# Altium PCB LimeSDR-Micro_1v0.PcbDoc (part 5 of 8)
Units mm, origin at the board's own origin, x right, y up, seen from the top; angles counter-clockwise.
Board outline 50.8 x 29.7 mm, 8 copper layers (Top, L2, L3, L4, L5, L6, L7, Bottom), stack 0.925 mm thick; 648 components, 374 nets, 2297 pads, 812 vias.
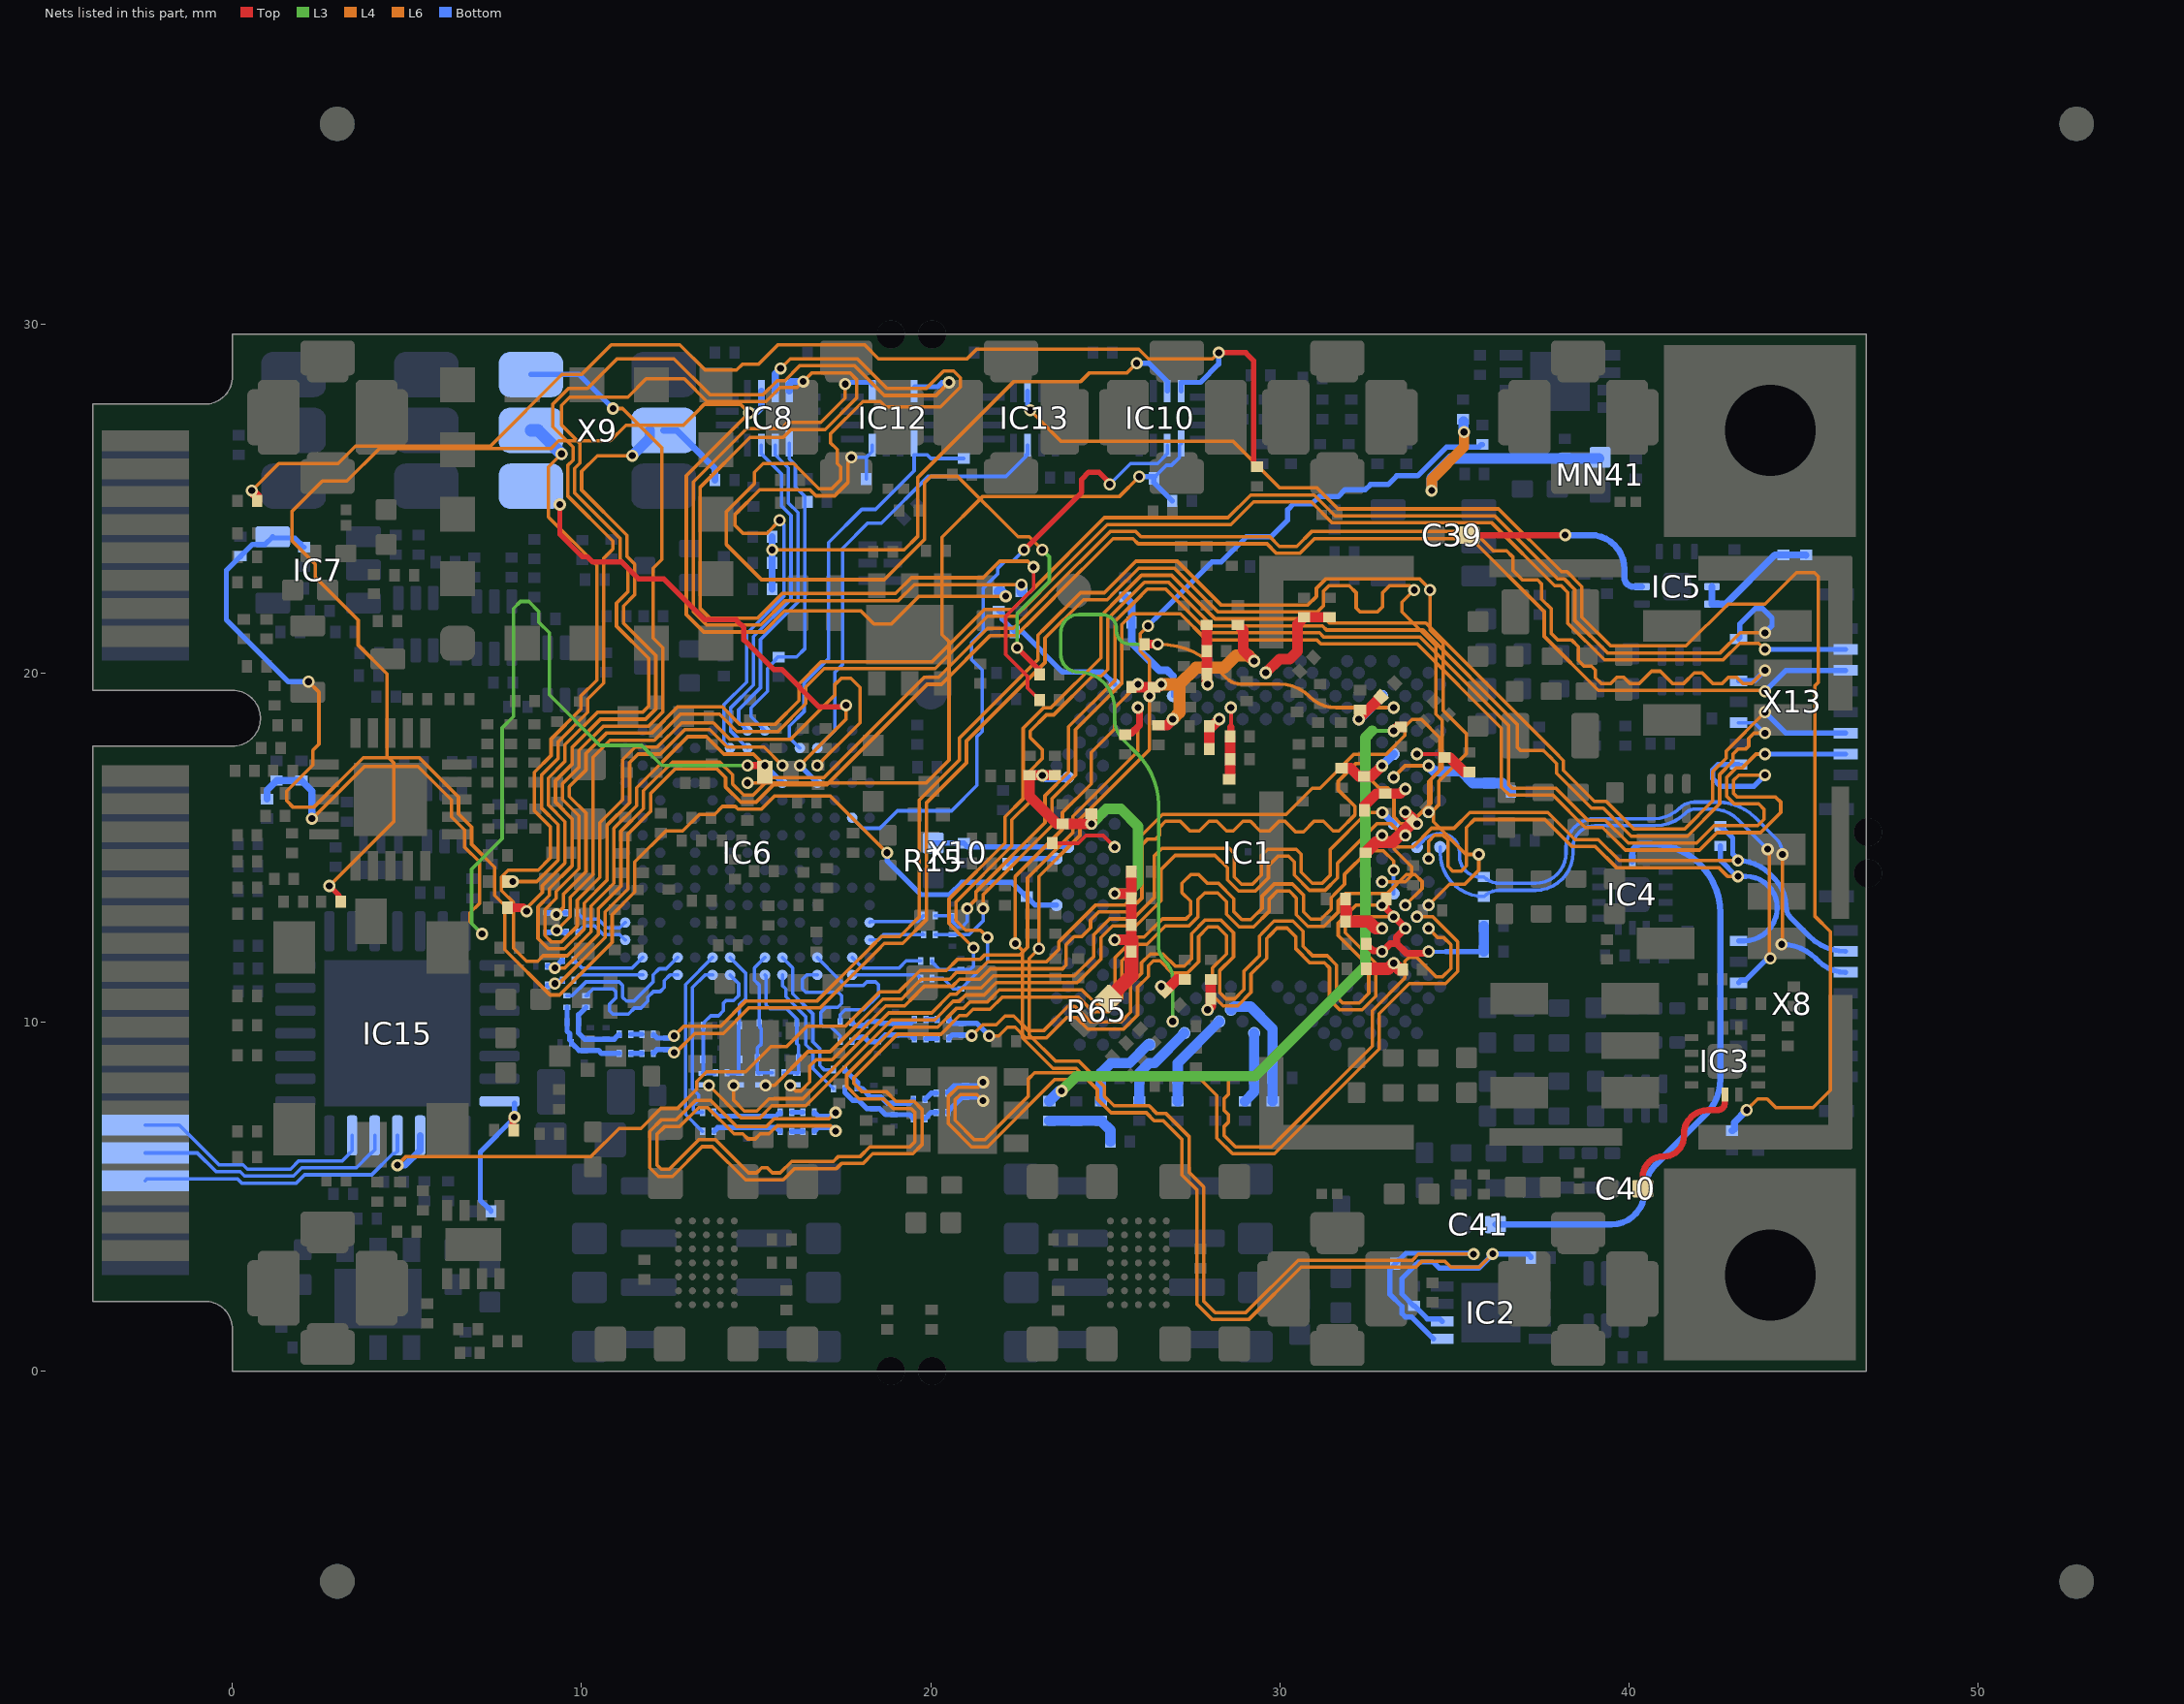
[diagram p11: the nets of this part, all layers, seen from the top]

## Via types
v1: diameter 0.35, hole 0.2, Top to Bottom, tented both sides, 670 vias
v2: diameter 0.35, hole 0.2, L5 to Bottom, tented both sides, 104 vias
v3: diameter 0.4, hole 0.2, Top to Bottom, tented both sides, 30 vias
v4: diameter 0.5, hole 0.2, Top to Bottom, tented both sides, 8 vias

## Nets (pads, with @x,y where several pads share a name; then routed paths per layer and width w, separated by ;. In a path a pad name is that pad's centre, name@x,y a point inside that pad or via, vN(x,y) a via of type N, cw(c..) or ccw(c..) an arc to the next point about the centre after c; other vN are vias at no path point) (continued)
LA_LED2: IC13.10 R145.2 | length 46
  L6 w0.1: v1(22.85,27.525) 23.742,26.633 28.667,26.633 30,25.3 31.067,25.3 31.667,24.7 36.267,24.7 38.067,22.9 38.225,22.9 38.65,22.475 38.65,21.6 39.475,20.775 41.64,20.775 42.84,21.975 43.9,21.975 44.8,22.875 45.317,22.875 45.425,22.767 45.425,19.73 45.325,19.63 45.325,18.292 45.325,13.038 45.775,12.588 45.775,8.047 45.278,7.55 44.21,7.55 43.96,7.8 43.69,7.8 43.375,7.485 v1(43.375,7.475)
  Bottom w0.15: IC13.10@22.775,28.075 22.775,27.65 v1@22.9,27.525
  Bottom w0.2: R145.2@42.95,6.885 42.975,6.885 43.025,6.935 43.025,7.125 v1(43.375,7.475)
LA_LED2_LS: IC6.P12 IC13.3 | length 12.7
  Bottom w0.1: IC6.P12@16.751,17.85 17.25,18.349 17.25,20.019 17.475,20.244 17.475,23.569 18.194,24.287 18.586,24.287 19.929,25.63 22.155,25.63 22.725,26.2 22.725,26.25 22.775,26.25 IC13.3@22.775,26.525
LA_PPS_IN: IC10.11 R170.2 R173.2 R177.2 | length 16.5
  L6 w0.1: v2(15.46,23.525) 19.242,23.525 19.625,23.908 19.625,25.59 22.385,28.35 24.3,28.35 24.55,28.6 25.625,28.6 v1(25.9,28.875)
  Bottom w0.15: v1(25.9,28.875) 26.247,28.875 26.775,28.347 IC10.11@26.775,28.075
  Bottom w0.2: R177.2@15.46,22.4 R173.2@15.46,23.9
LA_PPS_IN_LS: IC6.K14 IC10.2 | length 17.9
  Top w0.15: v1(22.675,23.525) 24.325,25.175 24.325,25.545 24.53,25.75 24.82,25.75 25.125,25.445 v1(25.125,25.4)
  Bottom w0.1: IC6.K14@17.751,15.85 18.051,15.55 18.55,15.55 19.05,16.05 20.599,16.05 21.325,16.776 21.325,18.175 21.475,18.325 21.475,20.083 21.175,20.383 21.175,20.877 21.5,21.202 21.5,22.425 21.925,22.85 21.925,23 22.125,23.2 22.35,23.2 v1(22.675,23.525) ; v1(25.125,25.4) 25.725,26 26.5,26 26.775,26.275 IC10.2@26.775,26.525
LA_PPS_OUT: IC10.12 R184.2 R187.2 | length 36.9
  Top w0.15: v1(28.25,29.175) 29.025,29.175 29.25,28.95 29.25,26.005 R187.2@29.35,25.905
  Top w0.3: v1(0.55,25.225) 0.55,25.211 0.705,25.056 R184.2@0.705,24.925
  L6 w0.1: v1(0.55,25.225) 1.325,26 3.025,26 3.525,26.5 7.392,26.5 9.442,28.55 10,28.55 10.85,29.4 12.815,29.4 13.54,28.675 14.44,28.675 14.615,28.85 15.075,28.85 15.625,29.4 18.108,29.4 18.508,29 21.04,29 21.315,29.275 25.96,29.275 26.235,29 28.075,29 v1(28.25,29.175)
  Bottom w0.15: IC10.12@27.175,28.075 27.175,28.325 27.725,28.325 28.25,28.85 v1(28.25,29.175)
LA_PPS_OUT_LS: IC6.M8 IC10.1 R115.2 R125.1 | length 21.6
  L4 w0.1: v1(14.751,16.85) 19.875,16.85 20.525,17.5 20.525,20.9 20.325,21.1 20.325,23.892 21.483,25.05 25.4,25.05 v1(25.975,25.625)
  Bottom w0.1: R115.2@26.425,25.625 26.75,25.95 26.9,25.95 27.125,26.175 27.125,26.525 IC10.1@27.175,26.575
  Bottom w0.15: v1(25.975,25.625) R115.2@26.425,25.625 ; R115.2@26.395,25.575 26.395,25.45 R125.1@26.92,24.925
LA_RO0_EXT_I_N: R91.2 R100.1 X13.3 | length 48.2
  L6 w0.1: v2(9.284,12.625) 9.675,13.016 9.675,13.572 10.325,14.222 10.325,17.585 10.815,18.075 12.081,18.075 12.831,18.825 13.95,18.825 14.45,18.325 15.625,18.325 16.425,19.125 16.425,19.6 16.95,20.125 20.131,20.125 21.631,21.625 22.434,21.625 22.814,22.005 22.817,22.005 23.125,22.313 23.125,22.316 25.059,24.25 28.6,24.25 29.25,24.9 30.901,24.9 31.501,24.3 36.075,24.3 37.875,22.5 38.06,22.5 38.25,22.31 38.25,21.425 39.3,20.375 42.7,20.375 43.175,20.85 43.716,20.85 43.891,20.675 v2(43.9,20.675)
  Bottom w0.15: R100.1@9.01,12.575 R91.2@9.559,12.575 ; v2(43.9,20.675) X13.3@46.207,20.675
LA_RO0_EXT_I_P: R90.2 R99.1 X13.2 | length 48.2
  L6 w0.1: v2(9.279,13.08) 9.475,13.276 9.475,13.655 10.125,14.305 10.125,15.989 9.65,16.464 9.65,16.744 10.125,17.219 10.125,17.694 10.706,18.275 11.999,18.275 12.749,19.025 14.033,19.025 14.533,18.525 15.542,18.525 16.225,19.208 16.225,19.683 16.867,20.325 20.048,20.325 21.548,21.825 22.351,21.825 22.731,22.205 22.735,22.205 22.925,22.395 22.925,22.399 24.976,24.45 28.517,24.45 29.167,25.1 30.984,25.1 31.584,24.5 36.158,24.5 37.958,22.7 38.142,22.7 38.45,22.392 38.45,21.508 39.383,20.575 42.617,20.575 43.192,21.15 v2(43.9,21.15)
  Bottom w0.15: R99.1@9.005,13.13 R90.2@9.554,13.13 ; X13.2@43.142,20.975 43.175,21.007 43.175,21.4 43.625,21.85 43.825,21.85 44.1,21.575 44.1,21.35 v2(43.9,21.15)
LA_RO0_EXT_Q_N: R93.2 R102.1 X13.6 | length 48.2
  L6 w0.1: v2(9.235,11.55) 9.525,11.55 10.475,12.5 10.475,13.241 11.125,13.891 11.125,15.467 11.775,16.117 11.775,16.625 12.6,17.45 13.958,17.45 14.325,17.083 14.325,16.816 14.641,16.5 14.917,16.5 15.417,17 16.942,17 19.817,19.875 20.225,19.875 21.625,21.275 22.367,21.275 22.897,21.805 22.9,21.805 23.325,22.23 23.325,22.233 25.142,24.05 25.875,24.05 26.025,23.9 29.716,23.9 29.991,23.625 30.484,23.625 30.909,24.05 35.566,24.05 36.118,23.498 36.502,23.498 36.675,23.325 36.675,22.941 36.95,22.666 37.384,22.666 37.5,22.55 37.5,22.116 37.775,21.841 37.775,21.133 37.958,20.95 38.35,20.95 38.55,20.75 38.55,20.358 38.714,20.193 38.932,20.193 39.043,20.082 39.043,19.864 39.208,19.7 39.481,19.7 39.656,19.875 39.852,19.875 40.027,19.7 40.3,19.7 40.65,20.05 40.9,20.05 41.25,19.7 41.575,19.7 41.875,20 42.1,20 42.4,19.7 42.675,19.7 42.85,19.875 43.087,19.875 43.262,19.7 43.525,19.7 v2(43.9,20.075)
  Bottom w0.15: R102.1@9.02,11.6 9.28,11.6 9.423,11.743 9.45,11.743 R93.2@9.45,11.775 ; X13.6@43.142,19.775 43.6,19.775 v2(43.9,20.075)
LA_RO0_EXT_Q_P: R92.2 R101.1 X13.5 | length 48
  L6 w0.1: 9.406,11.148 10.675,12.417 10.675,13.158 11.325,13.808 11.325,15.384 11.975,16.034 11.975,16.542 12.683,17.25 13.875,17.25 14.125,17 14.125,16.775 14.125,16.733 14.558,16.3 14.6,16.3 15,16.3 15.5,16.8 17.025,16.8 19.9,19.675 20.308,19.675 21.708,21.075 22.45,21.075 22.98,21.605 22.983,21.605 23.525,22.147 23.525,22.15 25.225,23.85 25.792,23.85 25.942,23.7 29.633,23.7 29.908,23.425 30.567,23.425 30.992,23.85 35.483,23.85 37.575,21.758 37.575,21.05 39.125,19.5 43.875,19.5 v2(43.9,19.475)
  Bottom w0.15: R101.1@9.02,11.05 9.239,11.05 9.357,11.168 9.45,11.168 R92.2@9.45,11.2 ; v2(43.9,19.475) 44.5,20.075 X13.5@46.207,20.075
  other v2: 9.235,11.1
LA_RO0_I_N: IC6.C1 R91.1 | length 1.6
  Bottom w0.1: R91.1@9.889,12.575 10.064,12.75 10.375,12.75 10.625,12.5 11.092,12.5 11.242,12.35 IC6.C1@11.251,12.35
LA_RO0_I_P: IC6.D1 R90.1 | length 1.6
  Bottom w0.1: R90.1@9.884,13.13 10.064,12.95 10.475,12.95 10.725,12.7 11.092,12.7 11.242,12.85 IC6.D1@11.251,12.85
LA_RO0_Q_N: IC6.B2 R93.1 | length 2.2
  Bottom w0.1: R93.1@9.78,11.775 10.005,11.55 11.451,11.55 IC6.B2@11.751,11.85
LA_RO0_Q_P: IC6.A2 R92.1 | length 2
  Bottom w0.1: R92.1@9.78,11.2 9.93,11.35 IC6.A2@11.751,11.35
LA_RO1_EXT_I_N: R95.2 R104.1 X13.11 | length 40.8
  L6 w0.1: v2(21.225,12.125) 20.525,12.825 20.525,13.525 22.125,15.125 22.125,15.875 22.65,16.4 22.65,18.417 23.233,19 23.442,19 24.875,20.433 24.875,21.634 25.47,22.229 26.04,22.8 26.899,22.8 28.149,21.55 31.305,21.55 31.425,21.43 34.185,21.43 37.69,17.925 37.692,17.925 38,17.617 38,17.615 38.125,17.49 38.125,17.208 39.008,16.325 39.35,16.325 40.15,15.525 41.592,15.525 42.4,16.333 42.4,17.174 42.784,17.558 42.784,17.759 v2(43.9,18.875)
  Bottom w0.1: R95.2@20.04,11.75 20.04,11.718 20.257,11.5 R104.1@20.865,11.5 21.132,11.5 21.225,11.593 v2(21.225,12.125)
  Bottom w0.15: v2(43.9,18.875) 44.5,18.275 X13.11@46.207,18.275
LA_RO1_EXT_I_P: R94.2 R103.1 X13.10 | length 40.5
  L6 w0.1: v2(21.625,12.425) 21.425,12.625 21.008,12.625 20.725,12.908 20.725,13.442 22.325,15.042 22.325,15.317 22.325,15.792 22.85,16.317 22.85,17.2 23.2,17.55 23.2,17.8 22.85,18.15 22.85,18.334 23.316,18.8 23.525,18.8 24.625,19.9 24.875,19.9 25.075,20.1 25.075,21.551 25.67,22.146 ; 25.67,22.147 26.123,22.6 26.816,22.6 28.066,21.35 31.222,21.35 31.342,21.23 34.103,21.23 36.8,18.533 36.8,17.875 36.9,17.775 37.558,17.775 37.608,17.725 37.61,17.725 37.8,17.535 37.8,17.533 37.925,17.408 37.925,17.125 38.925,16.125 39.267,16.125 40.067,15.325 41.675,15.325 42.6,16.25 42.6,17.091 42.984,17.475 42.984,17.676 43.134,17.826 43.351,17.826 43.433,17.908 43.433,18.125 43.583,18.275 v2(43.9,18.275)
  Bottom w0.1: R94.2@20.04,11.25 20.35,11.25 20.65,10.95 R103.1@20.865,10.95 21.625,11.71 v2(21.625,12.425) ; X13.10@43.142,18.575 43.6,18.575 v2(43.9,18.275)
LA_RO1_EXT_Q_N: R97.2 R106.1 X13.14 | length 40.9
  L6 w0.1: v2(21.5,13.25) 21.5,13.65 23.475,15.625 23.475,16.4 24.15,17.075 24.15,18.375 25.475,19.7 25.475,21.386 25.784,21.695 27.155,21.695 27.9,20.95 31.056,20.95 31.176,20.83 33.937,20.83 36.35,18.417 36.35,16.725 36.575,16.5 37.825,16.5 38.75,15.575 39.251,15.575 39.901,14.925 42.025,14.925 42.525,15.425 43.775,15.425 44.35,16 44.35,16.3 44.2,16.45 43.1,16.45 43,16.55 43,16.925 43.15,17.075 v2(43.9,17.075)
  Bottom w0.1: R97.2@20.125,12.5 R106.1@20.625,12.5 21.1,12.5 21.5,12.9 v2(21.5,13.25) ; X13.14@43.142,17.375 X13.14@43.242,17.375
  Bottom w0.15: X13.14@43.142,17.375 42.55,17.375 42.4,17.225 42.4,16.975 42.625,16.75 43.575,16.75 v2(43.9,17.075)
LA_RO1_EXT_Q_P: R96.2 R105.1 X13.13 | length 40.6
  L6 w0.1: v2@21.037,13.262 21.3,13.525 21.3,13.733 23.275,15.708 23.275,16.483 23.95,17.158 23.95,18.458 25.275,19.783 25.275,21.469 25.87,22.064 ; 25.87,22.065 26.205,22.4 26.733,22.4 27.983,21.15 31.139,21.15 31.259,21.03 34.02,21.03 36.55,18.5 36.55,16.808 36.658,16.7 37.908,16.7 38.833,15.775 39.334,15.775 39.984,15.125 41.942,15.125 42.442,15.625 43.092,15.625 43.692,15.625 43.875,15.808 43.875,16.092 43.717,16.25 43.017,16.25 42.8,16.467 42.8,16.834 42.8,17.008 43.067,17.275 43.241,17.275 43.641,17.675 v2@43.9,17.675
  Bottom w0.1: R96.2@20.125,13.05 R105.1@20.625,13.05 20.625,12.884 20.784,12.725 20.9,12.725 21.05,12.875 v2(21.05,13.25)
  Bottom w0.15: v2(43.9,17.675) X13.13@46.207,17.675
LA_RO1_I_N: IC6.B14 R95.1 | length 2.2
  Bottom w0.1: IC6.B14@17.751,11.85 18.051,11.55 19.1,11.55 19.3,11.75 R95.1@19.71,11.75
LA_RO1_I_P: IC6.A14 R94.1 | length 2
  Bottom w0.1: IC6.A14@17.751,11.35 17.789,11.388 17.827,11.35 19.61,11.35 R94.1@19.71,11.25
LA_RO1_Q_N: IC6.C15 R97.1 | length 1.6
  Bottom w0.1: IC6.C15@18.251,12.35 18.5,12.35 18.65,12.5 R97.1@19.795,12.5 19.782,12.512 R97.1@19.77,12.525
LA_RO1_Q_P: IC6.D15 R96.1 | length 1.6
  Bottom w0.1: IC6.D15@18.251,12.85 18.276,12.875 19.62,12.875 R96.1@19.795,13.05
LA_RX0_I_N: IC6.A4 R28.1 | length 4.2
  Bottom w0.1: R28.1@10.125,10.75 10.157,10.75 10.182,10.775 10.182,10.808 10.325,10.95 10.904,10.95 10.975,10.879 10.975,10.687 10.8,10.512 10.8,10.325 10.9,10.225 11.34,10.225 11.515,10.4 11.7,10.4 11.9,10.6 11.9,10.716 12.057,10.873 12.248,10.873 12.367,10.992 12.367,11.183 12.53,11.346 12.747,11.346 IC6.A4@12.751,11.35
LA_RX0_I_P: IC6.B4 R34.1 | length 4.4
  Bottom w0.1: R34.1@9.575,10.75 9.725,10.75 10.125,11.15 11.075,11.15 11.175,11.05 11.175,10.708 11.283,10.6 11.501,10.6 12.051,11.15 12.051,11.351 12.225,11.525 12.426,11.525 IC6.B4@12.751,11.85
LA_RX0_Q_N: IC6.B6 R37.1 | length 5.5
  Bottom w0.1: R37.1@13.46,6.865 12.975,7.35 12.975,11.074 IC6.B6@13.751,11.85
LA_RX0_Q_P: IC6.A6 R42.1 | length 4.7
  Bottom w0.1: R42.1@13.46,7.415 13.26,7.415 13.2,7.475 13.2,7.625 13.35,7.775 13.35,7.91 13.175,8.085 13.175,10.991 13.53,11.346 13.747,11.346 IC6.A6@13.751,11.35
LA_RX1_I_N: IC6.B10 R44.1 | length 4
  Bottom w0.1: IC6.B10@15.751,11.85 16.05,11.551 16.05,11.475 16.051,11.474 16.051,11.226 16.05,11.225 16.05,10.808 16.625,10.233 16.625,9.433 16.825,9.233 16.825,8.753 16.943,8.635 R44.1@17.21,8.635
LA_RX1_I_P: IC6.A10 R49.1 | length 3.9
  Bottom w0.1: IC6.A10@15.751,11.35 15.751,11.049 15.85,10.95 15.85,10.725 16.425,10.15 16.425,9.35 16.625,9.15 16.625,8.67 R49.1@17.21,8.085
LA_RX1_Q_N: IC6.A12 R51.1 | length 4
  Bottom w0.1: IC6.A12@16.751,11.35 16.45,11.35 16.325,11.225 16.325,10.95 16.425,10.85 17.35,10.85 17.45,10.75 17.45,10.533 17.339,10.421 16.996,10.421 16.85,10.275 16.85,9.95 16.925,9.875 17.135,9.875 17.41,9.6 R51.1@17.41,9.525
LA_RX1_Q_P: IC6.B12 R58.1 | length 4
  Bottom w0.1: IC6.B12@16.751,11.85 17.051,11.55 ; 17.051,11.549 17.55,11.05 18.075,11.05 18.175,11.15 18.425,11.15 18.5,11.075 18.5,10.76 18.09,10.35 17.55,10.35 17.41,10.21 R58.1@17.41,10
LA_SPI_ADF_SS: IC12.12 R186.2 | length 30.7
  Top w0.2: R186.2@7.875,14.03 R186.2@7.88,14.025
  L6 w0.1: v1(8.03,14.025) 8.714,14.025 9.325,14.636 9.325,15.658 8.85,16.133 8.85,17.075 9.325,17.55 9.325,18.025 10.175,18.875 10.175,19.25 10.635,19.71 10.635,23.285 10.9,23.55 10.9,23.775 9.6,25.075 9.6,25.941 9.755,26.095 9.755,26.47 9.175,27.05 9.175,27.7 9.625,28.15 10.165,28.15 11.015,29 12.65,29 13.675,27.975 15.2,27.975 15.6,28.375 15.825,28.375 16.25,28.8 17.817,28.8 18.667,27.95 20.15,27.95 v2(20.525,28.325)
  Bottom w0.15: IC12.12@19.55,28.2 20.2,28.2 20.325,28.325 v2(20.525,28.325)
LA_SPI_ADF_SS_LS: IC6.P11 IC12.1 R108.2 | length 11.7
  Bottom w0.1: IC6.P11@16.251,17.85 15.951,18.15 15.951,18.474 16.375,18.898 16.375,19.709 17.075,20.409 17.075,23.734 18.028,24.687 18.42,24.687 19.525,25.792 19.525,26.25 19.9,26.25 20.005,26.145 R108.2@20.95,26.145
LA_SPI_LMS_SS: IC12.9 R23.2 | length 20.5
  L6 w0.1: v2(17.55,28.275) 17.55,27.875 16.85,27.175 15.9,27.175 15.725,27 14.725,27 13.2,25.475 13.2,21.758 13.583,21.375 15.133,21.375 15.833,22.075 19.075,22.075 19.53,22.53 v1(22.6,22.53)
  Bottom w0.15: v2(17.55,28.275) 17.6,28.325 18.3,28.325 18.325,28.3 IC12.9@18.325,28.262
  Bottom w0.3: R23.2@22.6,22.33 v1(22.6,22.53)
LA_SPI_LMS_SS_LS: IC6.P7 IC12.4 R109.2 | length 15.2
  L6 w0.1: v1(15.675,24.375) 15.675,24.365 15.31,24 14.625,24 14.4,24.225 14.4,24.55 15.1,25.25 16.542,25.25 16.717,25.075 17.247,25.075 17.625,25.453 17.625,26.007 17.725,26.107 v2(17.725,26.175)
  Bottom w0.1: IC6.P7@14.251,17.85 14.075,18.026 14.075,19.091 14.725,19.741 14.725,21.125 15.8,22.2 15.8,24.25 v1(15.675,24.375) ; v2(17.725,26.175) 18.15,26.175 ; R109.2@18.155,25.55 18.155,26.17 18.15,26.175 ; IC12.4@18.325,26.525 18.325,26.35 18.15,26.175
LA_SPI_MISO: IC8.11 R22.2 | length 34.9
  Top w0.15: v1(22.475,20.725) 23.12,20.08 R22.2@23.12,19.957
  L3 w0.1: v1(22.475,20.725) 22.475,21.7 23.4,22.625 23.4,23.325 v1(23.2,23.525)
  L6 w0.1: v2(15.7,28.725) 15.975,29 17.9,29 18.75,28.15 19.875,28.15 20.375,28.65 20.66,28.65 20.85,28.46 20.85,28.19 20.285,27.625 18.71,27.625 18.56,27.775 18.058,27.775 17.125,26.842 17.125,26.6 17.325,26.4 17.325,26 17.425,25.9 17.425,25.535 17.165,25.275 16.8,25.275 16.075,26 15.2,26 14.95,25.75 14.95,25.425 14.15,24.625 14.15,23.675 15.15,22.675 18.675,22.675 19.825,23.825 19.825,25.45 20.005,25.63 20.77,25.63 22.5,23.9 22.825,23.9 v1(23.2,23.525)
  Bottom w0.2: IC8.11@15.55,28.075 15.55,28.575 v2(15.7,28.725)
LA_SPI_MISO_LS: IC6.R8 IC8.2 | length 9.3
  Bottom w0.1: IC6.R8@14.751,18.35 14.5,18.601 14.5,18.95 15.125,19.575 15.125,20.96 16.2,22.035 16.2,24.592 15.925,24.867 15.925,25.875 15.55,26.25 IC8.2@15.55,26.525
LA_SPI_MOSI: IC8.12 R21.2 R185.2 | length 53.7
  Top w0.1: v1(22.945,23.035) 22.945,22.415 22.735,22.205 22.73,22.205 22.15,21.625 22.15,20.525 22.775,19.9 22.775,19.57 22.995,19.35 23.02,19.35 23.12,19.25 R21.2@23.12,19.225
  Top w0.25: R185.2@7.88,13.275 8.325,13.275 v1(8.425,13.175)
  L6 w0.1: v1(8.425,13.175) 8.425,13.258 8.875,13.708 8.875,13.903 9.525,14.553 9.525,15.741 9.05,16.216 9.05,16.992 9.525,17.467 9.525,17.942 10.458,18.875 11.75,18.875 11.925,19.05 11.925,20.417 11,21.342 11,22 11.325,22.325 11.325,23.033 11.1,23.258 11.1,23.858 9.8,25.158 9.8,25.858 9.955,26.012 9.955,26.575 9.425,27.105 9.425,27.667 9.658,27.9 11.325,27.9 11.85,28.425 12.942,28.425 13.592,27.775 15.283,27.775 15.683,28.175 16.175,28.175 v2(16.35,28.35) 16.6,28.6 17.685,28.6 17.875,28.41 17.875,27.875 16.975,26.975 16,26.975 15.775,26.75 14.826,26.75 13.4,25.324 13.4,21.84 13.665,21.575 15.05,21.575 15.75,22.275 18.992,22.275 19.447,22.73 21.505,22.73 21.975,23.2 22.78,23.2 v1(22.945,23.035)
  Bottom w0.2: IC8.12@15.95,28.075 15.95,28.3 16,28.35 v2(16.35,28.35)
LA_SPI_MOSI_LS: IC6.R9 IC8.1 R116.2 R126.1 | length 9.5
  Bottom w0.1: IC6.R9@15.251,18.35 14.85,18.751 14.85,19 15.325,19.475 15.325,20.13 15.525,20.33 15.525,20.355 15.625,20.455 R126.1@15.65,20.455 16.155,20.455 16.4,20.7 16.4,25.058 16.125,25.333 16.125,25.958 15.95,26.133 IC8.1@15.95,26.575
LA_SPI_SCLK: IC8.10 R20.2 R183.2 | length 45.5
  Top w0.15: v1(2.775,13.9) 3.058,13.617 3.058,13.492 R183.2@3.1,13.45
  L4 w0.1: v1(2.775,13.9) 4.625,15.75 4.625,17.417 4.425,17.617 4.425,19.975 3.6,20.8 3.6,21.516 2.375,22.741 2.375,23.116 1.7,23.791 1.7,24.625 2.575,25.5 3.275,25.5 4.2,26.425 9.115,26.425 9.34,26.65 10.817,26.65 11.267,27.1 12.916,27.1 13.275,27.459 13.515,27.7 14.55,27.7 v1(14.8,27.45)
  L6 w0.1: v1(14.8,27.45) 13,25.65 13,21.675 13.5,21.175 15.216,21.175 15.816,21.775 18,21.775 18.375,21.4 18.875,21.4 19.675,22.2 v1(22.15,22.2)
  Bottom w0.2: v1(14.8,27.45) 14.829,27.479 15.029,27.479 15.15,27.6 IC8.10@15.15,28.075
  Bottom w0.3: R20.2@21.95,22.33 22.02,22.33 v1(22.15,22.2)
LA_SPI_SCLK_LS: IC6.P8 IC8.3 | length 9.9
  Bottom w0.1: IC6.P8@14.751,17.85 14.275,18.326 14.275,19.008 14.925,19.658 14.925,21.042 16,22.117 16,24.51 15.725,24.785 15.725,25.7 15.15,26.275 IC8.3@15.15,26.525
LA_TCK: IC6.N10 R85.2 X9.5 | length 34.1
  L6 w0.1: v1(11.45,26.225) 10.45,26.225 10,25.775 10,25.241 11.3,23.941 11.3,23.34 11.525,23.115 11.525,22.242 11.2,21.917 11.2,21.425 12.125,20.5 12.125,18.967 11.833,18.675 10.541,18.675 9.725,17.859 9.725,17.384 9.25,16.909 9.25,16.299 9.725,15.824 9.725,14.471 9.075,13.821 9.075,13.625 8.75,13.3 8.75,12.392 9.042,12.1 9.509,12.1 10.075,12.666 10.075,13.406 10.725,14.056 10.725,15.632 11.375,16.282 11.375,17.434 11.616,17.675 12.259,17.675 12.959,18.375 13.675,18.375 14.175,17.875 15.226,17.875 v2(15.751,17.35)
  Bottom w0.2: X9.5@12.35,26.95 12.725,26.95 13.82,25.855 R85.2@13.82,25.525
  Bottom w0.3: v1(11.45,26.225) 11.953,26.728 X9.5@11.953,26.95
LA_TDI: IC6.M10 X9.2 | length 30.9
  L6 w0.1: v1(9.425,26.275) 9.05,25.9 9.05,24.467 10.435,23.082 10.435,19.793 9.975,19.333 9.975,18.958 9.125,18.108 9.125,17.633 8.65,17.158 8.65,16.05 9.1,15.6 9.1,14.694 8.756,14.35 7.895,14.35 7.705,14.16 7.705,13.77 8.05,13.425 8.05,12.115 8.424,11.741 8.741,11.741 8.9,11.9 9.592,11.9 10.275,12.583 10.275,13.324 10.925,13.974 10.925,15.549 11.575,16.199 11.575,16.708 13.042,18.175 13.575,18.175 14.075,17.675 14.926,17.675 v2(15.251,17.35)
  Bottom w0.15: v2(15.251,17.35) IC6.M10@15.751,16.85
  Bottom w0.35: X9.2@8.55,26.95 8.75,26.95 v1(9.425,26.275)
LA_TDO: IC6.N12 X9.1 | length 39
  L6 w0.1: v1(10.9,27.575) 11.175,27.575 12.3,26.45 12.3,23.25 12.05,23 12.05,21 12.325,20.725 12.325,18.884 11.916,18.475 10.624,18.475 9.925,17.776 9.925,17.301 9.45,16.826 9.45,16.381 9.925,15.906 9.925,14.388 9.275,13.738 9.275,13.542 8.95,13.217 8.95,12.475 9.125,12.3 9.426,12.3 9.875,12.749 9.875,13.489 10.525,14.139 10.525,15.715 11.175,16.365 11.175,17.517 11.533,17.875 11.85,17.875 12.164,17.875 12.864,18.575 13.775,18.575 14.25,18.1 15.986,18.1 17.25,19.364 17.25,19.66 17.44,19.85 17.71,19.85 17.975,19.585 17.975,18.574 v2(16.751,17.35)
  Bottom w0.15: X9.1@8.55,28.55 9.925,28.55 v1(10.9,27.575)
LA_TMS: IC6.M12 X9.3 | length 14.2
  Top w0.15: v1(9.375,24.825) 9.375,23.975 9.975,23.375 10.025,23.325 10.17,23.325 10.32,23.175 11.15,23.175 11.625,22.7 12.354,22.7 13.529,21.525 14.422,21.525 14.65,21.297 14.65,20.95 15.5,20.1 15.731,20.1 16.806,19.025 v1@17.525,19.025
  L6 w0.1: v2(16.251,17.35) 17.575,18.674 v1(17.575,19.075)
  Bottom w0.15: v2(16.251,17.35) IC6.M12@16.751,16.85
LA_TRST: C138.1 D1.C IC6.N8 R86.2 R89.2 | length 32.5
  Top w0.2: v1(14.751,17.35) D1.C@15.3,17.35
  L3 w0.1: v1(7.15,12.525) 6.85,12.825 6.85,14.375 7.725,15.25 7.725,18.425 8.05,18.75 8.05,21.85 8.25,22.05 8.491,22.05 8.491,22.044 8.775,21.76 8.775,21.45 9.075,21.15 9.075,19.375 10.525,17.925 11.725,17.925 12.3,17.35 v1(14.751,17.35)
  L6 w0.1: v2(2.275,15.825) 2.282,15.825 3.782,17.325 5.317,17.325 6.275,16.367 6.275,15.875 6.65,15.5 6.65,15.008 7.075,14.583 7.075,13.4 6.8,13.125 6.8,12.875 v1(7.15,12.525)
  Bottom w0.2: R89.2@0.99,16.385 0.99,16.643 C138.1@1.265,16.918 R86.2@1.973,16.918 ; R86.2@1.975,16.92 2.275,16.62 v2(2.275,15.825)
LA_TX_I_N: C2.1 C3.1 IC6.B7 R4.1 R5.2 | length 4
  Bottom w0.1: C2.1@14.165,8.55 14.19,8.525 R5.2@14.525,8.525 ; IC6.B7@14.251,11.85 14.7,11.401 14.7,10.675 14.515,10.49 R4.1@14.515,9.9 14.5,9.885 14.5,8.55 R5.2@14.525,8.525 ; R5.2@14.54,8.525 R5.2@14.525,8.525